# KiCad board matrix-7seg8-x02-x06.kicad_pcb
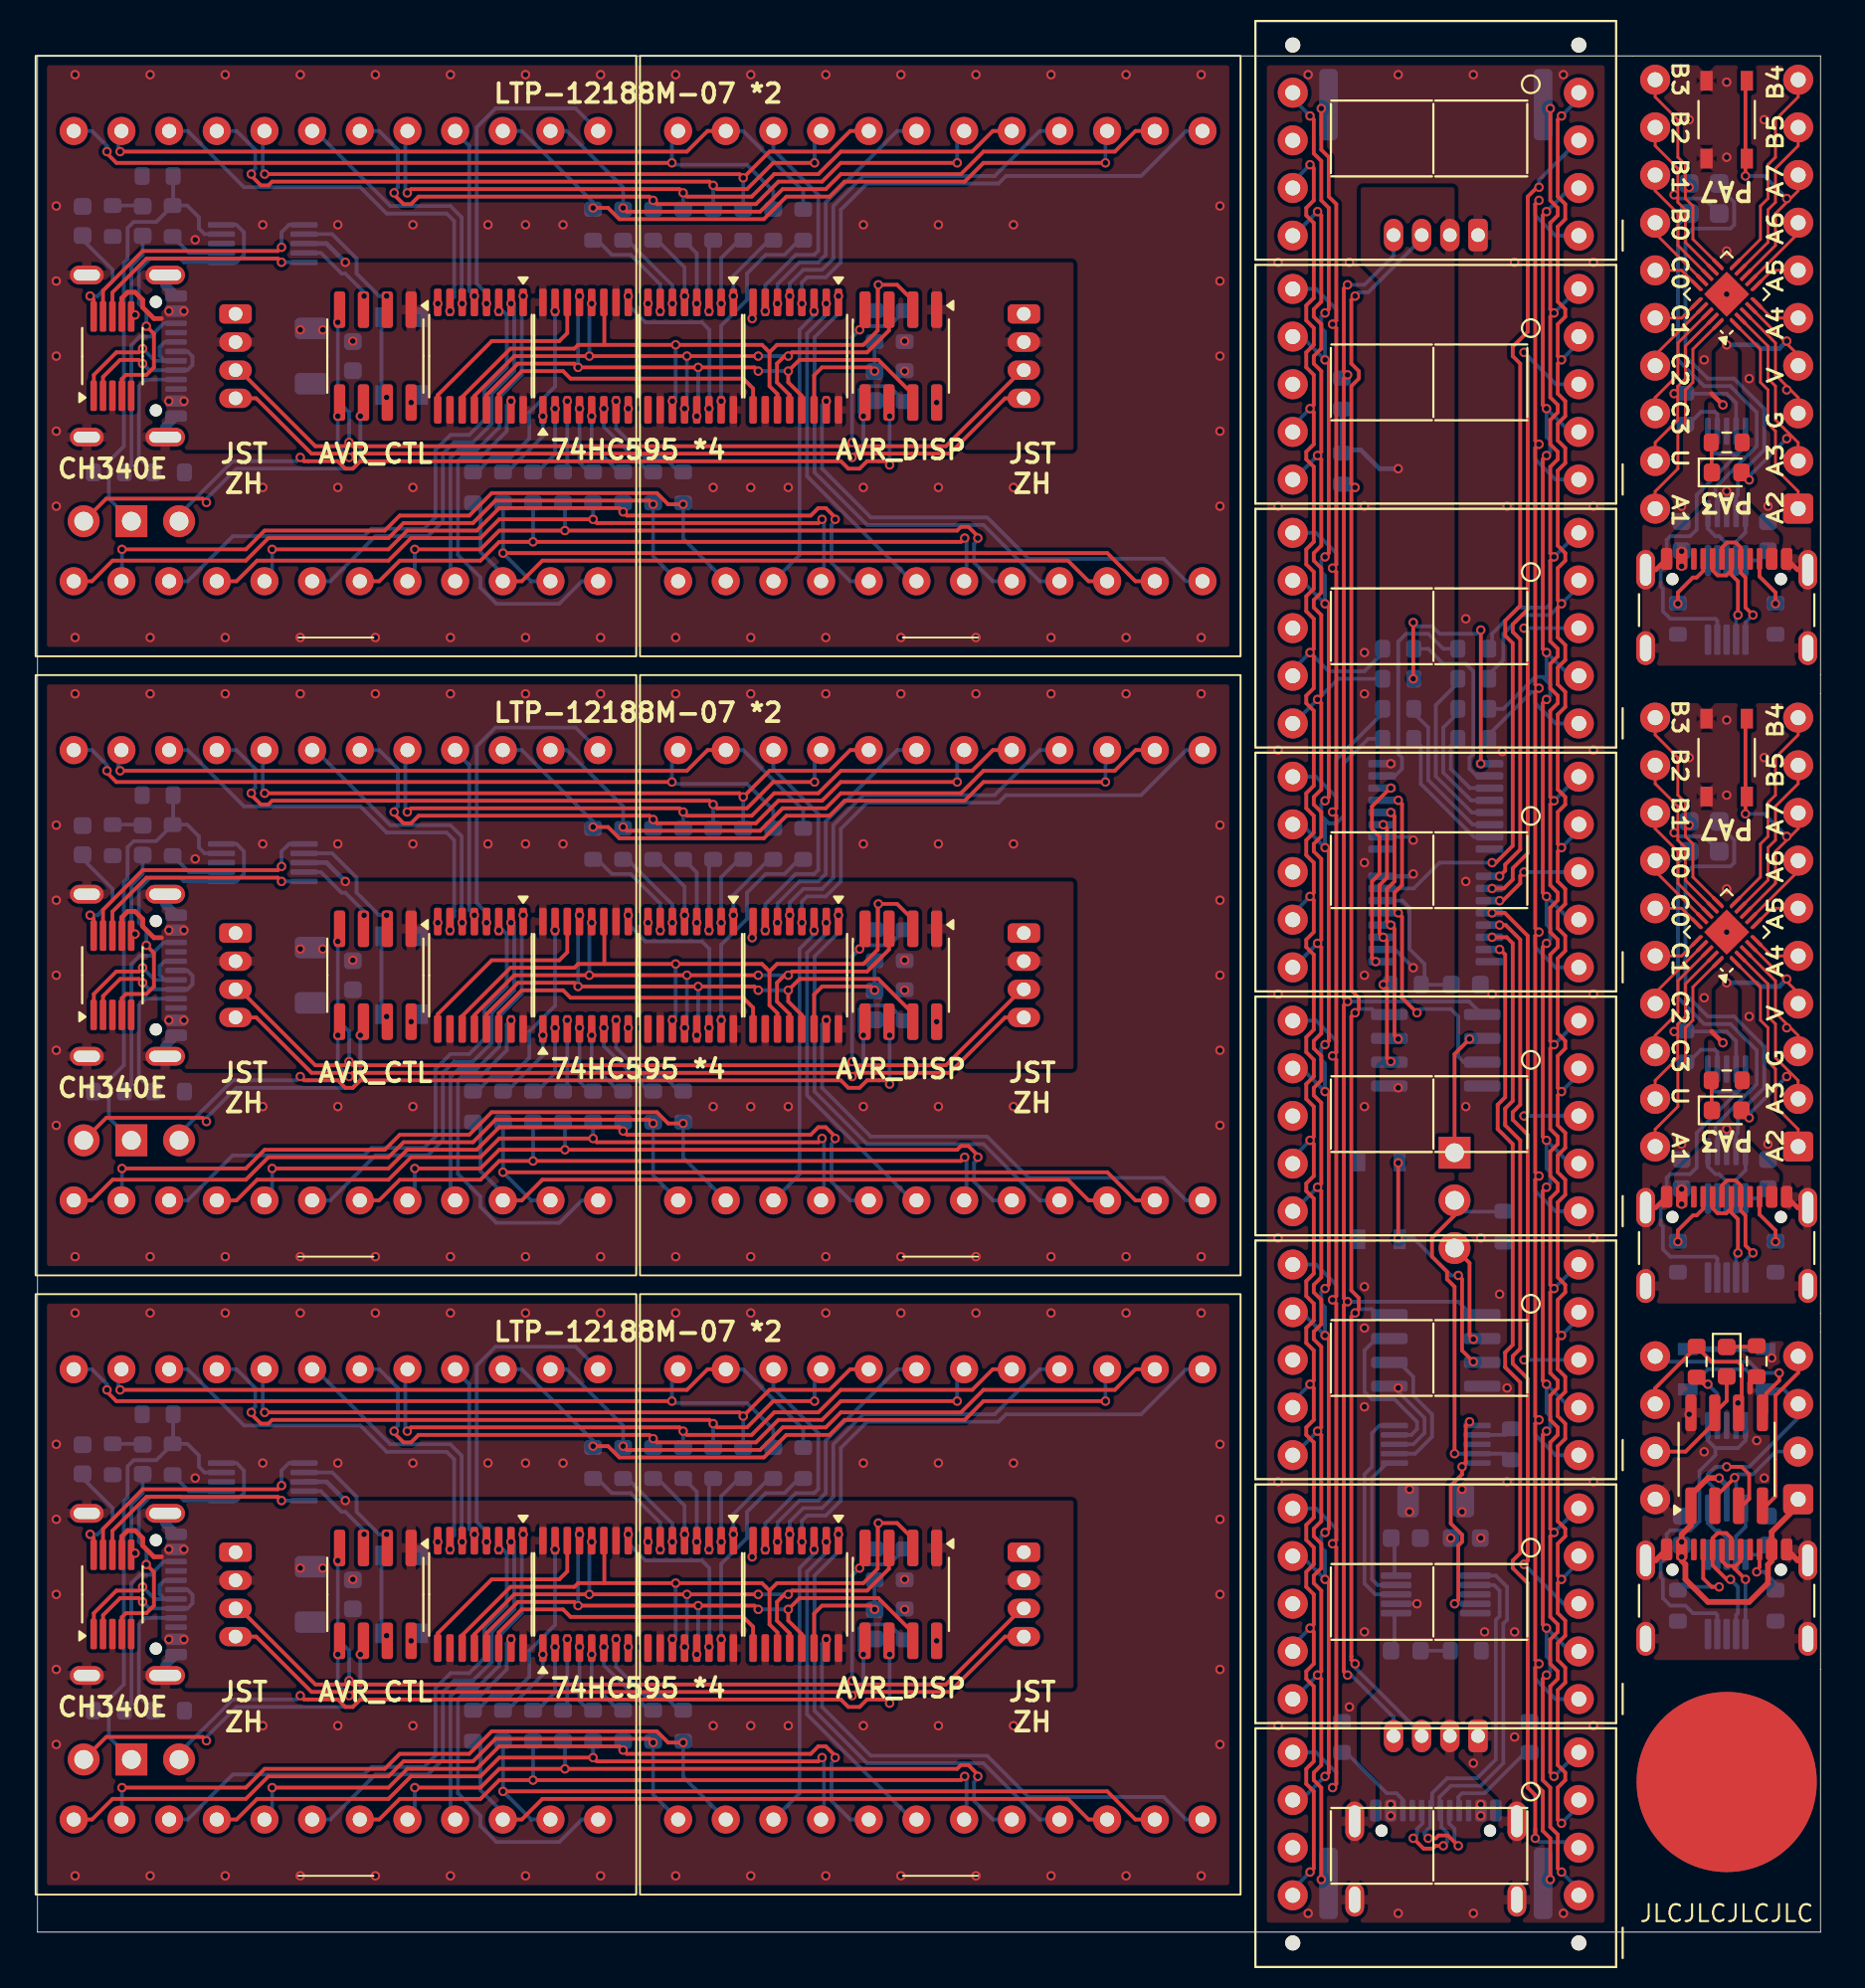
[diagram p0: board, top side]
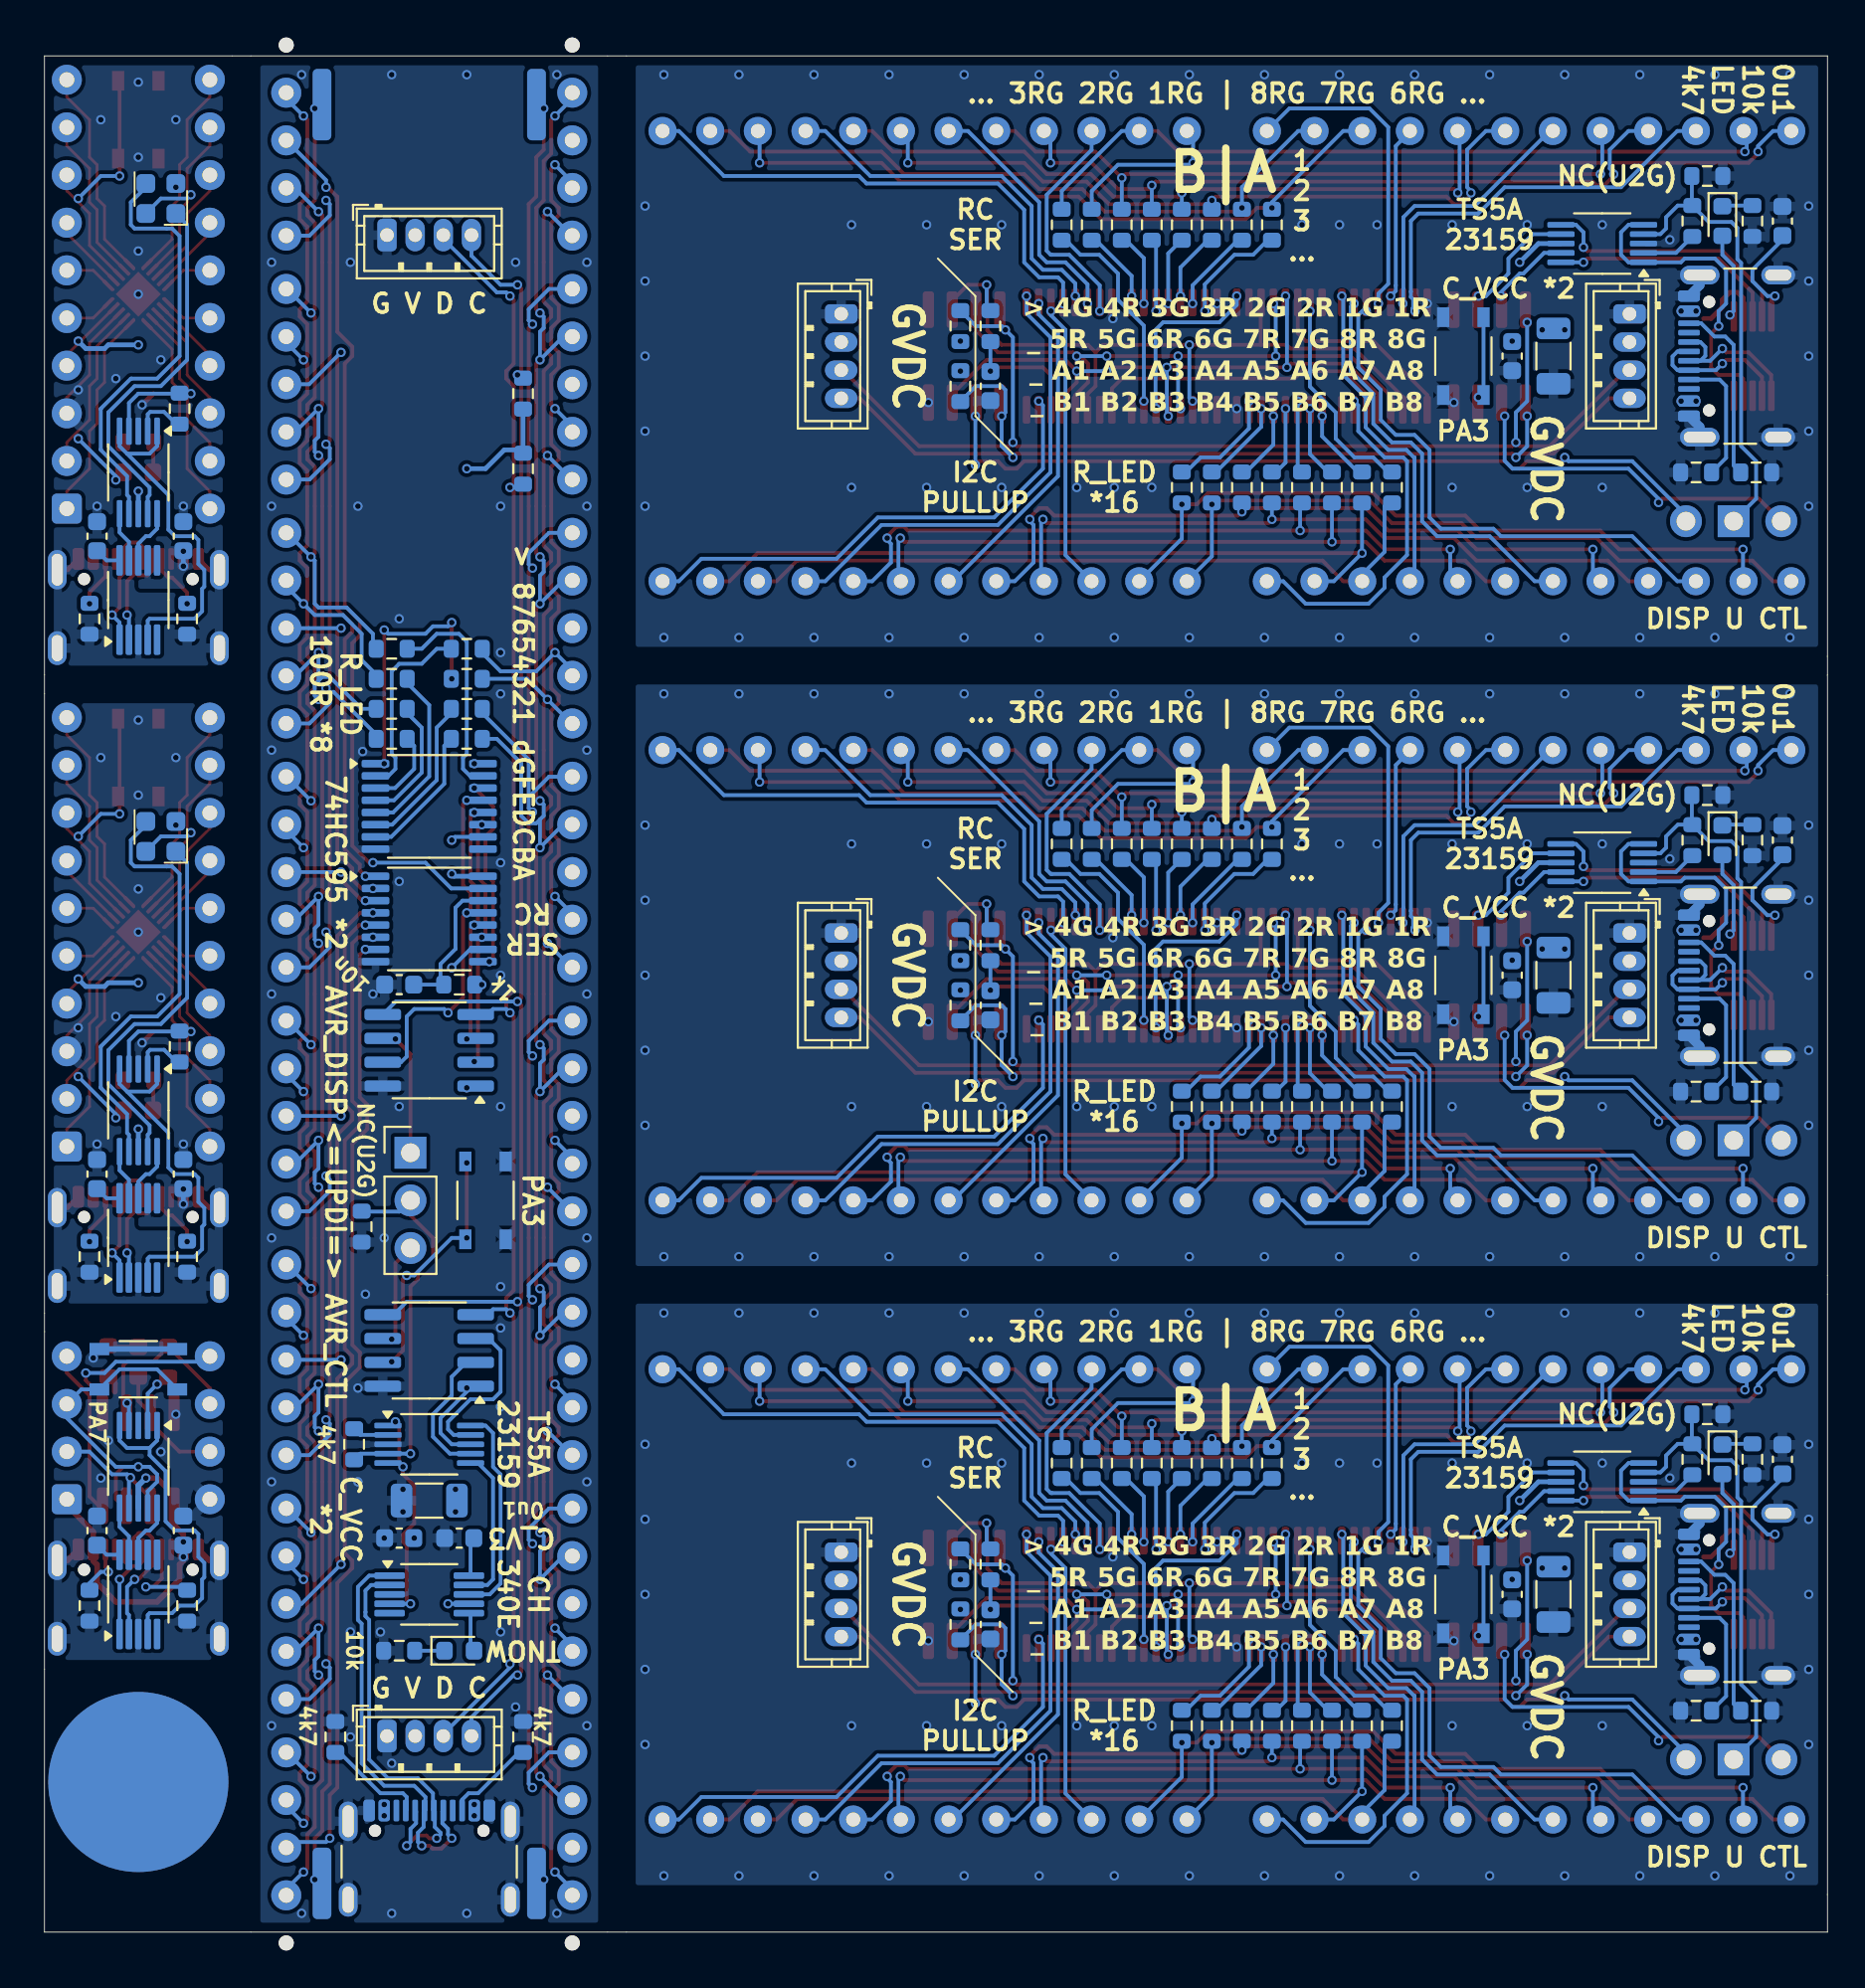
[diagram p1: board, bottom side, seen from below]

Outline 95 x 100 mm; copper layers: Top, Bottom. Coordinates in mm from the lower left corner of the outline.
Outline path: 0,100 0,0 95,0 95,100 0,100

## Placement (name value [footprint] x y rotation side)
C1  10n  [C_0603_1608Metric]  44.6 16.4 270 bottom
C1#2  4u7  [C_0603_1608Metric]  87.6 40.4 90 bottom
C1#3  10n  [C_0603_1608Metric]  44.6 82.4 270 bottom
C1#4  4u7  [C_0603_1608Metric]  87.6 74.4 90 bottom
C1#5  10n  [C_0603_1608Metric]  44.6 49.4 270 bottom
C1#6  10n  [C_0603_1608Metric]  76.1 50.5 0 bottom
C1#7  4u7  [C_0603_1608Metric]  87.6 21.4 90 bottom
C2  0u1  [C_0603_1608Metric]  92.2 21.4 90 bottom
C2#2  0u1  [C_0603_1608Metric]  2.4 25.2 270 bottom
C2#3  0u1  [C_0603_1608Metric]  92.2 40.4 90 bottom
C2#4  0u1  [C_0603_1608Metric]  2.4 91.2 270 bottom
C2#5  0u1  [C_0603_1608Metric]  92.2 74.4 90 bottom
C2#6  0u1  [C_0603_1608Metric]  2.4 58.2 270 bottom
C2#7  1u  [C_0603_1608Metric]  76.1 21 0 bottom
C3  0u1  [C_0603_1608Metric]  72.9 21 180 bottom
C3#2  1u  [C_0603_1608Metric]  16.8 18 270 bottom
C3#3  1u  [C_0603_1608Metric]  16.8 84 270 bottom
C3#4  1u  [C_0603_1608Metric]  16.8 51 270 bottom
C4  100u  [C_1206_3216Metric]  14.6 51 270 bottom
C4#2  100u  [C_1206_3216Metric]  14.6 84 270 bottom
C4#3  100u  [C_1206_3216Metric]  74.5 23 0 bottom
C4#4  100u  [C_1206_3216Metric]  14.6 18 270 bottom
D1  -  [LTP-12188M-08]  15.9 51 0 top
D1#2  LED_Small  [LED_0603_1608Metric]  90 77.8 0 top
D1#3  LED_Small  [LED_0603_1608Metric]  90 43.8 0 top
D1#4  -  [LTP-12188M-08]  15.9 84 0 top
D1#5  LED  [LED_0603_1608Metric]  90 30.4 270 top
D1#6  -  [LTP-12188M-08]  15.9 18 0 top
D2  -  [LTP-12188M-08]  48.1 51 0 top
D2#2  -  [LTP-12188M-08]  48.1 18 0 top
D2#3  -  [LTP-12188M-08]  48.1 84 0 top
D3  LED_TNOW  [LED_0603_1608Metric]  5.6 91.2 270 bottom
D3#2  LED_TNOW  [LED_0603_1608Metric]  5.6 25.2 270 bottom
D3#3  LED_TNOW  [LED_0603_1608Metric]  72.9 15 180 bottom
D3#4  LED_TNOW  [LED_0603_1608Metric]  5.6 58.2 270 bottom
G***  -  [LOGO]  74.5 74 0 bottom
J1  Conn_02x10_Counter_Clockwise  [DIP-20_W7.62mm_Socket]  93.81 41.87 180 top
J1#2  Conn_02x10_Counter_Clockwise  [DIP-20_W7.62mm_Socket]  93.81 75.87 180 top
J1#3  I2C  [JST_ZH_B4B-ZR_1x04_P1.50mm_Vertical]  10.55 86.25 270 bottom
J1#4  I2C  [JST_ZH_B4B-ZR_1x04_P1.50mm_Vertical]  10.55 20.25 270 bottom
J1#5  I2C  [JST_ZH_B4B-ZR_1x04_P1.50mm_Vertical]  10.55 53.25 270 bottom
J2  USB_C_Receptacle_USB2.0_16P  [USB_C_Receptacle_GCT_USB4105-xx-A_16P_TopMnt_Horizontal]  90 69.51 0 top
J2#2  OUT  [DIP-8_W7.62mm_Socket]  93.81 23.07 180 top
J2#3  USB_C_Receptacle_USB2.0_16P  [USB_C_Receptacle_GCT_USB4105-xx-A_16P_TopMnt_Horizontal]  90 35.51 0 top
J2#4  I2C  [JST_ZH_B4B-ZR_1x04_P1.50mm_Vertical]  52.55 20.25 270 bottom
J2#5  I2C  [JST_ZH_B4B-ZR_1x04_P1.50mm_Vertical]  52.55 86.25 270 bottom
J2#6  I2C  [JST_ZH_B4B-ZR_1x04_P1.50mm_Vertical]  52.55 53.25 270 bottom
J2#7  I2C  [JST_ZH_B4B-ZR_1x04_P1.50mm_Vertical]  76.75 90.45 180 bottom
J3  USB_C_Receptacle_USB2.0_16P  [USB_C_Receptacle_GCT_USB4105-xx-A_16P_TopMnt_Horizontal]  90 16.71 0 top
J3#2  I2C  [JST_ZH_B4B-ZR_1x04_P1.50mm_Vertical]  76.75 10.45 180 bottom
J3#3  USB_C_Receptacle_USB2.0_16P  [USB_C_Receptacle_GCT_USB4105-xx-A_16P_TopMnt_Horizontal]  3.7 51 90 bottom
J3#4  USB_C_Receptacle_USB2.0_16P  [USB_C_Receptacle_GCT_USB4105-xx-A_16P_TopMnt_Horizontal]  3.7 84 90 bottom
J3#5  USB_C_Receptacle_USB2.0_16P  [USB_C_Receptacle_GCT_USB4105-xx-A_16P_TopMnt_Horizontal]  3.7 18 90 bottom
J4  USB_C_Receptacle_USB2.0_16P  [USB_C_Receptacle_GCT_USB4105-xx-A_16P_TopMnt_Horizontal]  74.5 2.8 180 bottom
JP1  UPDI  [PinHeader_1x03_P2.54mm_Vertical]  7.54 75.2 90 bottom
JP1#2  4k7  [pokayoke_1608]  88.8 58.4 0 bottom
JP1#3  4k7  [pokayoke_1608]  88.8 92.4 0 bottom
JP1#4  UPDI  [PinHeader_1x03_P2.54mm_Vertical]  7.54 42.2 90 bottom
JP1#5  UPDI  [PinHeader_1x03_P2.54mm_Vertical]  7.54 9.2 90 bottom
JP1#6  Jumper_3_Open  [PinHeader_1x03_P2.54mm_Vertical#2]  75.5 41.54 180 bottom
NOREF  LOGO  [mcbeeringi_icon_10mm]  90 8 0 top
NOREF#2  LOGO  [mcbeeringi_icon_10mm]  59 22 180 bottom
NOREF#3  -  [PCB.MCBEERINGI.DEV_small]  90 62.8 270 bottom
NOREF#4  mcbeeringi_icon  [mcbeeringi_icon_5mm]  90.2 54.2 270 bottom
NOREF#5  -  [PCB.MCBEERINGI.DEV_small]  58.8 44 180 bottom
NOREF#6  -  [PCB.MCBEERINGI.DEV_small]  58.8 77 180 bottom
NOREF#7  -  [PCB.MCBEERINGI.DEV_small]  58.8 11 180 bottom
NOREF#8  LOGO  [mcbeeringi_icon_10mm]  59 88 180 bottom
NOREF#9  LOGO  [mcbeeringi_icon_10mm]  59 55 180 bottom
NOREF#10  -  [PCB.MCBEERINGI.DEV_small]  74.5 82 0 bottom
NOREF#11  -  [PCB.MCBEERINGI.DEV_small]  90 8 180 bottom
NOREF#12  -  [PCB.MCBEERINGI.DEV_small]  90 96.8 270 bottom
NOREF#13  mcbeeringi_icon  [mcbeeringi_icon_5mm]  90.2 88.2 270 bottom
R1  10k  [R_0603_1608Metric]  91.6 30.42 270 top
R1#2  150R  [R_0603_1608Metric]  40.8 58 90 bottom
R1#3  4k7  [R_0603_1608Metric]  87.4 36 270 bottom
R1#4  4k7  [R_0603_1608Metric]  87.4 70 270 bottom
R1#5  150R  [R_0603_1608Metric]  40.8 91 90 bottom
R1#6  100R  [R_0603_1608Metric]  72.5 63.6 180 bottom
R1#7  150R  [R_0603_1608Metric]  40.8 25 90 bottom
R2  4.7k  [R_0603_1608Metric]  88.4 30.4 90 top
R2#2  150R  [R_0603_1608Metric]  39.2 25 90 bottom
R2#3  150R  [R_0603_1608Metric]  39.2 91 90 bottom
R2#4  4k7  [R_0603_1608Metric]  92.6 36 270 bottom
R2#5  150R  [R_0603_1608Metric]  39.2 58 90 bottom
R2#6  4k7  [R_0603_1608Metric]  92.6 70 270 bottom
R2#7  100R  [R_0603_1608Metric]  72.5 65.2 180 bottom
R3  150R  [R_0603_1608Metric]  37.6 91 90 bottom
R3#2  150R  [R_0603_1608Metric]  37.6 25 90 bottom
R3#3  4k7  [R_0603_1608Metric]  87.4 17.4 270 bottom
R3#4  100R  [R_0603_1608Metric]  76.5 66.8 0 bottom
R3#5  150R  [R_0603_1608Metric]  37.6 58 90 bottom
R4  150R  [R_0603_1608Metric]  36 58 90 bottom
R4#2  100R  [R_0603_1608Metric]  76.5 65.2 0 bottom
R4#3  150R  [R_0603_1608Metric]  36 91 90 bottom
R4#4  4k7  [R_0603_1608Metric]  92.6 17.4 270 bottom
R4#5  150R  [R_0603_1608Metric]  36 25 90 bottom
R5  4k7  [R_0603_1608Metric]  87.8 47.2 90 bottom
R5#2  150R  [R_0603_1608Metric]  34.4 58 90 bottom
R5#3  4k7  [R_0603_1608Metric]  87.8 81.2 90 bottom
R5#4  150R  [R_0603_1608Metric]  34.4 91 90 bottom
R5#5  100R  [R_0603_1608Metric]  76.5 63.6 0 bottom
R5#6  150R  [R_0603_1608Metric]  34.4 25 90 bottom
R6  10k  [R_0603_1608Metric]  90 45.4 0 top
R6#2  10k  [R_0603_1608Metric]  90 79.4 0 top
R6#3  150R  [R_0603_1608Metric]  32.8 58 90 bottom
R6#4  150R  [R_0603_1608Metric]  32.8 91 90 bottom
R6#5  150R  [R_0603_1608Metric]  32.8 25 90 bottom
R6#6  100R  [R_0603_1608Metric]  72.5 68.4 180 bottom
R7  150R  [R_0603_1608Metric]  31.2 91 90 bottom
R7#2  150R  [R_0603_1608Metric]  31.2 25 90 bottom
R7#3  150R  [R_0603_1608Metric]  31.2 58 90 bottom
R7#4  100R  [R_0603_1608Metric]  72.5 66.8 180 bottom
R8  100R  [R_0603_1608Metric]  76.5 68.4 0 bottom
R8#2  150R  [R_0603_1608Metric]  29.6 91 90 bottom
R8#3  150R  [R_0603_1608Metric]  29.6 58 90 bottom
R8#4  150R  [R_0603_1608Metric]  29.6 25 90 bottom
R9  1k  [R_0603_1608Metric]  72.9 50.5 180 bottom
R9#2  150R  [R_0603_1608Metric]  34.4 11 270 bottom
R9#3  150R  [R_0603_1608Metric]  34.4 44 270 bottom
R9#4  150R  [R_0603_1608Metric]  34.4 77 270 bottom
R10  150R  [R_0603_1608Metric]  32.8 77 270 bottom
R10#2  150R  [R_0603_1608Metric]  32.8 44 270 bottom
R10#3  5k1  [R_0603_1608Metric]  79.5 10.4 90 bottom
R10#4  150R  [R_0603_1608Metric]  32.8 11 270 bottom
R11  150R  [R_0603_1608Metric]  31.2 44 270 bottom
R11#2  150R  [R_0603_1608Metric]  31.2 11 270 bottom
R11#3  5k1  [R_0603_1608Metric]  69.5 10.4 90 bottom
R11#4  150R  [R_0603_1608Metric]  31.2 77 270 bottom
R12  R_TNOW  [R_0603_1608Metric]  76.1 15 0 bottom
R12#2  150R  [R_0603_1608Metric]  29.6 77 270 bottom
R12#3  150R  [R_0603_1608Metric]  29.6 11 270 bottom
R12#4  150R  [R_0603_1608Metric]  29.6 44 270 bottom
R13  4k7  [R_0603_1608Metric]  78.5 26 270 bottom
R13#2  150R  [R_0603_1608Metric]  28 11 270 bottom
R13#3  150R  [R_0603_1608Metric]  28 44 270 bottom
R13#4  150R  [R_0603_1608Metric]  28 77 270 bottom
R14  4k7  [R_0603_1608Metric]  69.5 78 270 bottom
R14#2  150R  [R_0603_1608Metric]  26.4 77 270 bottom
R14#3  150R  [R_0603_1608Metric]  26.4 11 270 bottom
R14#4  150R  [R_0603_1608Metric]  26.4 44 270 bottom
R15  150R  [R_0603_1608Metric]  24.8 77 270 bottom
R15#2  150R  [R_0603_1608Metric]  24.8 11 270 bottom
R15#3  150R  [R_0603_1608Metric]  24.8 44 270 bottom